# Altium PCB HIL_RIG_REV_1_2.PcbDoc (part 13 of 14)
Units mil, origin at the board's own origin, x right, y up, seen from the top; angles counter-clockwise.
Board outline 9845 x 7590 mil, 6 copper layers (Top Layer, Int1 (GND), Int2 (PWR), Int3 (Sign), Int4 (GND), Bottom Layer), stack 60.566 mil thick; 1465 components, 731 nets, 4058 pads, 3944 vias.
Unrouted connection lines stored in the file: 1754.
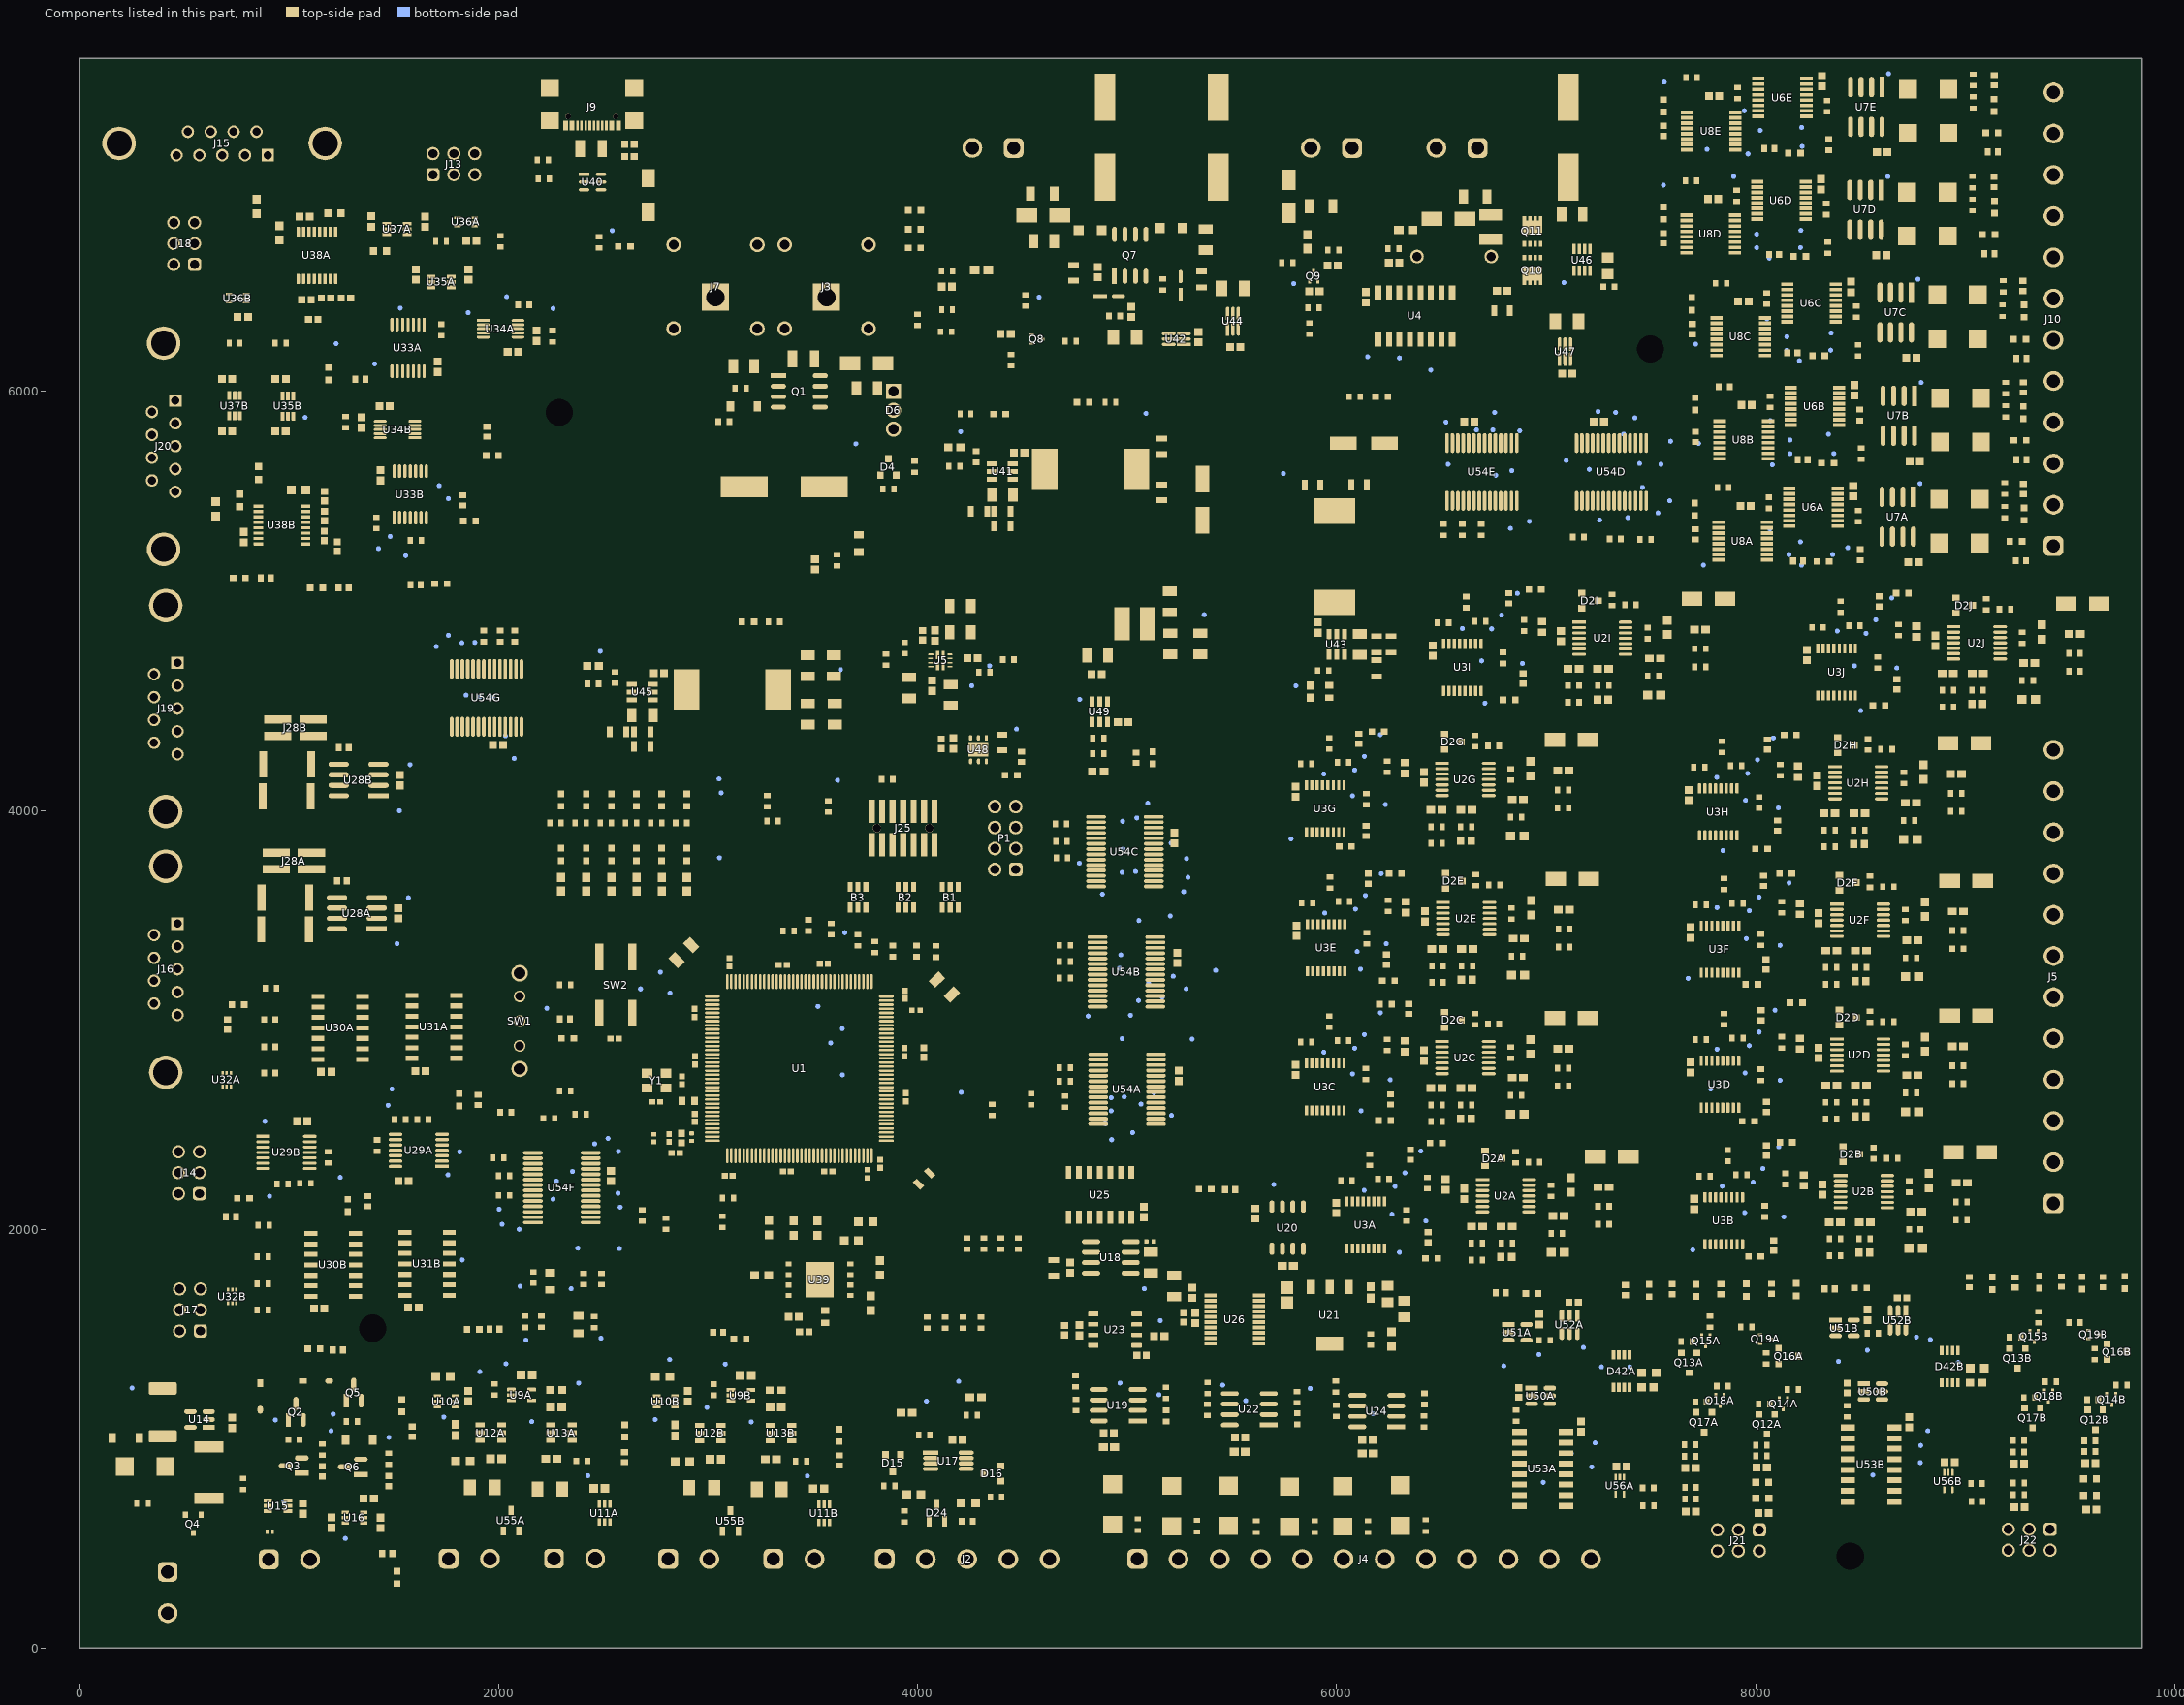
[diagram p17: the components of this part, seen from the top]

## Polygon pours and split planes (outlines as drawn) (continued)
I2C_1K_PMOS_GB on Top Layer "I2C_1K_PMOS_GA_L01_P2440" (solid, pour order 4082): 9601.6,1417 9601.6,1445 9627.6,1487 9627.6,1507 9651.6,1507 9695.6,1471 9695.6,1435 9659.6,1435 9635.6,1417
GND on Top Layer "GND_L01_P2073" (solid, pour order 4085): 8477.6,719 8361.6,719 8361.6,681 8477.6,681
GND on Top Layer "GND_L01_P2074" (solid, pour order 4088): 8477.6,969 8477.6,835 8363.6,835 8363.6,969
GND on Top Layer "GND_L01_P2427" (solid, pour order 4056): 9665.6,1261 9699.6,1261 9699.6,1201 9665.6,1201
GND on Top Layer "GND_L01_P2075" (solid, pour order 4091): 8711.6,1125 8793.6,1125 8793.6,1083 8711.6,1083
I2C_2K2_PMOS_GB on Top Layer "I2C_2K2_PMOS_GA_L01_P2428" (solid, pour order 4058): 9619.6,1205 9649.6,1205 9679.6,1175 9709.6,1175 9709.6,1151 9677.6,1119 9639.6,1119 9639.6,1151 9619.6,1171
I2C_DUT_VCCB on Top Layer "I2C_DUT_VCCA_L01_P2426" (solid, pour order 4054): 9601.6,1205 9601.6,1119 9525.6,1119 9525.6,1205
GND on Top Layer "GND_L01_P2424" (solid, pour order 4052): 8375.6,1237 8529.6,1237 8529.6,1213 8463.6,1213 8451.6,1201 8375.6,1201
I2C_DUT_VCCB on Top Layer "I2C_DUT_VCCB_L01_P3672" (solid, pour order 4126): 8663.6,1557 8733.6,1557 8733.6,1495 8763.6,1465 8763.6,1211 8761.6,1209 8549.6,1209 8549.6,1283 8637.6,1283 8637.6,1459 8663.6,1485
GND on Top Layer "GND_L01_P2409" (solid, pour order 4024): 8923.6,869 8881.6,869 8881.6,947 8923.6,947
GND on Top Layer "GND_L01_P2410" (solid, pour order 4026): 8909.6,775 8909.6,737 8849.6,737 8849.6,775
5V on Top Layer "5V_L01_P2411" (solid, pour order 4028): 8931.16,821.32 8931.6,821.77 8931.6,947 8971.6,947 8971.6,869 8965.6,869 8949.6,853 8949.6,821 8931.6,821
GND on Top Layer "GND_L01_P2416" (solid, pour order 4038): 9059.6,1287 9141.6,1287 9141.6,1247 9059.6,1247
GND on Top Layer "GND_L01_P2418" (solid, pour order 4042): 8401.6,1505 8401.6,1479 8341.6,1479 8335.6,1473 8305.6,1473 8305.6,1509 8335.6,1509 8339.6,1505
GND on Top Layer "GND_L01_P2419" (solid, pour order 4044): 8513.6,1637 8597.6,1637 8597.6,1595 8513.6,1595
3V3 on Top Layer "3V3_L01_P2421" (solid, pour order 4046): 8703.6,1731 8703.6,1579 8729.6,1579 8729.6,1643 8739.6,1653 8739.6,1731
GND on Top Layer "GND_L01_P2422" (solid, pour order 4048): 8695.6,1579 8695.6,1731 8657.6,1731 8657.6,1653 8667.6,1643 8667.6,1579
5V on Top Layer "5V_L01_P2423" (solid, pour order 4050): 8375.6,1247 8529.6,1247 8529.6,1275 8463.6,1275 8455.6,1283 8375.6,1283
3V3 on Top Layer "3V3_L01_P2076" (solid, pour order 4094): 8625.6,1075 8793.6,1075 8793.6,1033 8625.6,1033
GND on Top Layer "GND_L01_P2431" (solid, pour order 4136): 9387.6,1217 9387.6,1241 9373.6,1241 9355.6,1259 9331.6,1259 9331.6,1217 9369.6,1217
DAC_Reg_5V on Top Layer "DAC_REG_5V_L01_P2398" (solid, pour order 4012): 5428,1650 5428,1668 5360,1668 5334,1694 5272,1694 5272,1708 5180,1708 5180,1650
5V on Top Layer "5V_L01_P3682" (solid, pour order 4135): 5156,2080 5156,2032 5044,2032 5034,2022 4952,2022 4952,2092 5036,2092 5048,2080
GND on Top Layer "GND_L01_P3681" (solid, pour order 4134): 5058,2130 5058,2086 5144,2086 5144,2130
GND on Top Layer "GND_L01_P3680" (solid, pour order 4133): 4900,1984 4900,2092 4940,2092 4940,1984
GND on Top Layer "GND_L01_P3679" (solid, pour order 4132): 4800,1984 4800,2092 4840,2092 4840,1984
GND on Top Layer "GND_L01_P3678" (solid, pour order 4131): 5000,2238 5000,2346 5040,2346 5040,2238
GND on Top Layer "GND_L01_P3677" (solid, pour order 4130): 4850,2238 4850,2346 4890,2346 4890,2238
12V on Top Layer "12V_L01_P2393" (solid, pour order 4007): 4676,1606 4802,1606 4802,1566 4892,1566 4892,1522 4890,1522 4888,1522 4676,1522
GND on Top Layer "GND_L01_P2394" (solid, pour order 4008): 4802,1522 4802,1470 4890,1470 4890,1420 4676,1420 4676,1522
12V on Top Layer "12V_L01_P2395" (solid, pour order 4009): 4658,1710 4672,1724 4756,1724 4816,1770 4882,1770 4882,1812 4618,1812 4618,1710
GND on Top Layer "GND_L01_P2396" (solid, pour order 4010): 4744,1920 4760,1904 4934,1904 4950,1920 5152,1920 5152,1864 4948,1864 4890,1826 4884,1820 4608,1820 4608,1920
GND on Top Layer "GND_L01_P2399" (solid, pour order 4013): 5290,1746 5290,1700 5340,1700 5366,1674 5428,1674 5428,1730 5406,1752 5350.23,1752 5300.38,1802 5190,1802 5190,1746
DAC_VREF on Top Layer "DAC_VREF_L01_P2400" (solid, pour order 4014): 5430,1618 5598,1592 5664,1592 5664,1572 5599.08,1572 5430,1598 5364,1598 5364,1580 5202,1580 5202,1622 5364,1622 5364,1618
GND on Top Layer "GND_L01_P2401" (solid, pour order 4015): 17 vertices, not listed, extent 5158,1466 5430,1576
DAC_Reg_22V on Top Layer "DAC_REG_22V_L01_P2404" (solid, pour order 4018): 5850,1612 5726,1612 5726,1684 5930,1684 5928,1778 6004,1778 6004,1530 6040,1494 6040,1368 5850,1368
GND on Top Layer "GND_L01_P2405" (solid, pour order 4019): 6190,1229 6371.69,1229 6371.69,1183 6190,1183
GND on Top Layer "GND_L01_P2406" (solid, pour order 4020): 5588,1237.64 5762.69,1237.64 5762.69,1191.64 5588,1191.64
GND on Top Layer "GND_L01_P2407" (solid, pour order 4021): 4952,1257.36 5136.69,1257.36 5136.69,1211.36 4952,1211.36
GND on Top Layer "GND_L01_P2408" (solid, pour order 4022): 5020,1052 5020,930 4918,930 4918,1052
DAC_VREF on Top Layer "DAC_VREF_L01_P2449" (solid, pour order 4095): 5202,1580 5148,1526 5148,1466 4992,1466 4992,1514 5066,1514 5174,1622 5202,1622
AO_22V_LDO_IN on Top Layer "AO_22V_LDO_IN_L01_P2450" (solid, pour order 4096): 5772,1940 5822,1940 5822,1844 5900,1766 5900,1686 5898,1688 5852,1688 5852,1718 5772,1798
DAC_Reg_22V on Top Layer "DAC_REG_22V_L01_P2451" (solid, pour order 4097): 4908,924 4908,1106 4798,1106 4798,924
DAC_Reg_22V on Top Layer "DAC_REG_22V_L01_P2452" (solid, pour order 4098): 5536,904.28 5536,1086.28 5424,1086.28 5424,904.28
GND on Top Layer "GND_L01_P2453" (solid, pour order 4099): 5646.61,1032 5646.61,910 5544.61,910 5544.61,1032
DAC_Reg_22V on Top Layer "DAC_REG_22V_L01_P2454" (solid, pour order 4100): 6145,895.64 6145,1077.64 6033,1077.64 6033,895.64
GND on Top Layer "GND_L01_P2455" (solid, pour order 4101): 6254.61,1022 6254.61,900 6152.61,900 6152.61,1022
GND on Top Layer "GND_L01_P2456" (solid, pour order 4102): 5072,1418 5156,1418 5156,1378 5072,1378
NetC27_1 on Top Layer "NETC27_1_L01_P2457" (solid, pour order 4103): 5076,1460 5076,1434 5064,1422 5064,1378 5026,1378 5026,1426 5018,1434 5018,1460
24V_OUT_Shunted on Top Layer "24V_OUT_SHUNTED_L01_P2837" (solid, pour order 4109): 5220,6256 5168,6256 5162,6262 5124,6262 5124,6228 5130,6222 5152,6222 5168,6244 5220,6244
GND on Top Layer "GND_L01_P1153" (solid, pour order 3945): 3056,2528.7 3070,2538 3108,2538 3108,2504 3070,2504 3056,2514 3056,2514.41 2974.41,2514.41 2950.41,2490.41 2876,2490.41 2876,2527.73
GND on Top Layer "GND_L01_P1160" (solid, pour order 3948): 3056.22,2824 3056.22,2808.81 3054.51,2810 2876,2810 2876,2848 2960,2848 2984,2824
VDD_REGULATED on Top Layer "VDD_REGULATED_L01_P1171" (solid, pour order 3954): 3548.45,3334 3512.79,3334 3512.79,3251.21 3536.79,3227.21 3536.79,3146.66 3549.45,3146.66
GND on Top Layer "GND_L01_P1165" (solid, pour order 3955): 3570.79,3146.44 3582.61,3130.61 3582.61,3102.61 3544.61,3102.61 3544.61,3130.61 3556.79,3148.15 3556.79,3334 3594.79,3334 3594.79,3250.79 3570.79,3226.79
GND on Top Layer "GND_L01_P1148" (solid, pour order 3951): 3078,3274 3122,3274 3122,3360 3078,3360
FLASH_PAD on Top Layer "FLASH_PAD_L01_P1145" (solid, pour order 3847): 3609.52,1902 3609.52,1588.61 3521.52,1588.61 3418,1692.13 3418,1902
GND on Top Layer "GND_L01_P1150" (solid, pour order 3848): 2910.47,3035 2954,3035 2954,3116 2910.47,3116
GND on Top Layer "GND_L01_P1146" (solid, pour order 3943): 3659.52,1804.61 3707.52,1804.61 3707.52,1864.61 3617.52,1864.61 3617.52,1584.61 3521.52,1584.61 3491.52,1614.61 3409.52,1614.61 3409.52,1538.61 3455.52,1538.61 3455.52,1482.61 3659.52,1482.61
3V3 on Top Layer "3V3_L01_P1144" (solid, pour order 3944): 3407.52,1708.61 3355.52,1708.61 3355.52,1482.61 3455.52,1482.61 3455.52,1538.61 3407.52,1538.61
VDD_REGULATED on Top Layer "VDD_REGULATED_L01_P1152" (solid, pour order 3946): 3053.6,2534.41 3056,2533.37 3056,2548.41 2984,2548.41 2960,2572.41 2876,2572.41 2876,2534.41
VDD_REGULATED on Top Layer "VDD_REGULATED_L01_P1151" (solid, pour order 3947): 2876,2801.7 2876,2766 2958,2766 2982,2790 3056,2790 3056,2802.66
VDD_REGULATED on Top Layer "VDD_REGULATED_L01_P1149" (solid, pour order 3949): 3054,3008 3054,3020 2978,3020 2968,3030 2874,3030 2874,2988 2962,2988 2982,3008
VDD_REGULATED on Top Layer "VDD_REGULATED_L01_P1147" (solid, pour order 3950): 3018,3274 3018,3228 3063,3228 3082,3209 3082,3144 3118,3144 3118,3274
VDD_REGULATED on Top Layer "VDD_REGULATED_L01_P1172" (solid, pour order 3952): 3351.64,3326.66 3315.94,3326.66 3315.94,3244.66 3339.94,3220.66 3339.94,3146.66 3352.6,3146.66
GND on Top Layer "GND_L01_P1166" (solid, pour order 3953): 3373.94,3146.44 3385.76,3130.61 3385.76,3102.61 3347.76,3102.61 3347.76,3130.61 3359.94,3148.15 3359.94,3326.66 3397.94,3326.66 3397.94,3242.66 3373.94,3218.66
VDD_REGULATED on Top Layer "VDD_REGULATED_L01_P1155" (solid, pour order 3956): 4004,3122 4004,3158 3900,3158 3862,3120 3814,3120 3814,3104 3883.56,3104 3917.56,3122
GND on Top Layer "GND_L01_P1154" (solid, pour order 3957): 3813,3100 3764,3100 3764,3062 3798,3062 3814,3084 4005,3084 4005,3118 3921,3118 3887,3100
VDD_REGULATED on Top Layer "VDD_REGULATED_L01_P1159" (solid, pour order 3958): 3919.13,2886.72 3993.28,2886.72 4050,2886.72 4050,2849.7 3814.71,2848.43 3814.71,2862.72 3897.73,2862.72
GND on Top Layer "GND_L01_P1158" (solid, pour order 3959): 3812.43,2844 3802,2864 3764,2864 3764,2828.72 3797.72,2828.72 3813.71,2828.72 3895.51,2828.72 3916.74,2804 3993,2804 4049,2804.2 4049,2844
VDD_REGULATED on Top Layer "VDD_REGULATED_L01_P1156" (solid, pour order 3960): 3770,2388 3770,2316 3888,2316 3886,2318 3886,2388
GND on Top Layer "GND_L01_P1157" (solid, pour order 3961): 3801.83,2260 3884,2260 3884,2308 3801.83,2308
VDD_REGULATED on Top Layer "VDD_REGULATED_L01_P1169" (solid, pour order 3962): 3578.07,2218 3624,2218 3624,2279.78 3589.83,2313.95 3589.83,2387.95 3577.16,2387.95
GND on Top Layer "GND_L01_P1163" (solid, pour order 3963): 3555.82,2388.18 3532,2404 3532,2432 3569.83,2432 3569.83,2386.46 3569.83,2220 3520,2220 3520,2280.13 3555.82,2315.95
VDD_REGULATED on Top Layer "VDD_REGULATED_L01_P1168" (solid, pour order 3964): 3381.28,2207.95 3416.98,2207.95 3416.98,2289.95 3392.98,2313.95 3392.98,2387.95 3380.31,2387.95
GND on Top Layer "GND_L01_P1162" (solid, pour order 3965): 3358.97,2388.18 3347.15,2404 3347.15,2432 3385.15,2432 3385.15,2404 3372.98,2386.46 3372.98,2207.95 3334.97,2207.95 3334.97,2291.95 3358.97,2315.95
I2C_DUT_VCCA on Top Layer "I2C_DUT_VCCA_L01_P3672" (solid, pour order 4125): 7096,1536 7166,1536 7166,1474 7196,1444 7196,1190 7194,1188 6982,1188 6982,1262 7070,1262 7070,1438 7096,1464
GND on Top Layer "GND_L01_P2409" (solid, pour order 4023): 7356,848 7314,848 7314,926 7356,926
GND on Top Layer "GND_L01_P2410" (solid, pour order 4025): 7342,754 7342,716 7282,716 7282,754
5V on Top Layer "5V_L01_P2411" (solid, pour order 4027): 7363.55,800.32 7364,800.77 7364,926 7404,926 7404,848 7398,848 7382,832 7382,800 7364,800
GND on Top Layer "GND_L01_P2416" (solid, pour order 4037): 7492,1266 7574,1266 7574,1226 7492,1226
3V3 on Top Layer "3V3_L01_P2417" (solid, pour order 4039): 6876.37,1557.91 6876,1557.55 6876,1532 6936,1532 6942,1526 7032,1526 7032,1566 6944,1566 6936,1558 6876,1558
GND on Top Layer "GND_L01_P2418" (solid, pour order 4041): 6850,1484 6850,1458 6790,1458 6784,1452 6754,1452 6754,1488 6784,1488 6788,1484
GND on Top Layer "GND_L01_P2419" (solid, pour order 4043): 6946,1616 7030,1616 7030,1574 6946,1574
3V3 on Top Layer "3V3_L01_P2421" (solid, pour order 4045): 7136,1710 7136,1558 7162,1558 7162,1622 7172,1632 7172,1710
GND on Top Layer "GND_L01_P2422" (solid, pour order 4047): 7128,1558 7128,1710 7090,1710 7090,1632 7100,1622 7100,1558
5V on Top Layer "5V_L01_P2423" (solid, pour order 4049): 6808,1226 6962,1226 6962,1254 6896,1254 6888,1262 6808,1262
GND on Top Layer "GND_L01_P2424" (solid, pour order 4051): 6808,1216 6962,1216 6962,1192 6896,1192 6884,1180 6808,1180
I2C_DUT_VCCA on Top Layer "I2C_DUT_VCCA_L01_P2426" (solid, pour order 4053): 8034,1184 8034,1098 7958,1098 7958,1184
GND on Top Layer "GND_L01_P2427" (solid, pour order 4055): 8098,1240 8132,1240 8132,1180 8098,1180
I2C_2K2_PMOS_GA on Top Layer "I2C_2K2_PMOS_GA_L01_P2428" (solid, pour order 4057): 8052,1184 8082,1184 8112,1154 8142,1154 8142,1130 8110,1098 8072,1098 8072,1130 8052,1150
I2C_DUT_VCCA on Top Layer "I2C_DUT_VCCA_L01_P2429" (solid, pour order 4059): 7734,1108 7734,1154 7728,1160 7728,1194 7662,1194 7662,1192 7662,1108
I2C_4K7_PMOS_GA on Top Layer "I2C_4K7_PMOS_GA_L01_P2430" (solid, pour order 4061): 7752,1194 7780,1194 7804,1170 7840,1170 7840,1144 7810,1114 7810,1108 7772,1108 7772,1140 7752,1160
GND on Top Layer "GND_L01_P2431" (solid, pour order 4063): 7820,1196 7820,1220 7806,1220 7788,1238 7764,1238 7764,1202 7796,1202 7802,1196
I2C_DUT_VCCA on Top Layer "I2C_DUT_VCCA_L01_P2432" (solid, pour order 4065): 7502,1338 7584,1338 7584,1294 7502,1294
3V3 on Top Layer "3V3_L01_P2433" (solid, pour order 4067): 7362,1376 7382,1376 7382,1430 7392,1440 7392,1464 7358,1464 7358,1434 7362,1430
GND on Top Layer "GND_L01_P2434" (solid, pour order 4069): 7410,1376 7410,1420 7432,1442 7432,1464 7400,1464 7400,1436 7388,1424 7388,1376
I2C_DUT_VCCA on Top Layer "I2C_DUT_VCCA_L01_P2435" (solid, pour order 4071): 7662,1392 7662,1444 7662,1482 7588,1482 7588,1392
I2C_10K_PMOS_GA on Top Layer "I2C_10K_PMOS_GA_L01_P2436" (solid, pour order 4073): 7684,1482 7712,1482 7738,1456 7772,1456 7772,1428 7752,1428 7738,1414 7738,1392 7702,1392 7702,1430 7684,1448
GND on Top Layer "GND_L01_P2437" (solid, pour order 4075): 7752,1480 7752,1542 7712,1542 7712,1502 7734,1480
I2C_DUT_VCCA on Top Layer "I2C_DUT_VCCA_L01_P2438" (solid, pour order 4077): 8128,1376 8034,1376 8034,1300 8128,1300
GND on Top Layer "GND_L01_P2439" (solid, pour order 4079): 8034,1466 7970,1466 7970,1432 8002,1432 8016,1446 8034,1446
I2C_1K_PMOS_GA on Top Layer "I2C_1K_PMOS_GA_L01_P2440" (solid, pour order 4081): 8034,1396 8034,1424 8060,1466 8060,1486 8084,1486 8128,1450 8128,1414 8092,1414 8068,1396
GND on Top Layer "GND_L01_P2073" (solid, pour order 4084): 6910,698 6794,698 6794,660 6910,660
GND on Top Layer "GND_L01_P2074" (solid, pour order 4087): 6910,948 6910,814 6796,814 6796,948
GND on Top Layer "GND_L01_P2075" (solid, pour order 4090): 7144,1104 7226,1104 7226,1062 7144,1062
3V3 on Top Layer "3V3_L01_P2076" (solid, pour order 4093): 7058,1054 7226,1054 7226,1012 7058,1012
3V3 on Top Layer "3V3_L01_P2237" (solid, pour order 3863): 7666.89,3421.79 7750.89,3421.79 7750.89,3477.79 7716.89,3511.79 7666.89,3511.79
GND on Top Layer "GND_L01_P2257" (solid, pour order 3883): 7830,3161.79 7776,3161.79 7726.89,3161.79 7726.89,3254 7830,3254
3V3 on Top Layer "3V3_L01_P2267" (solid, pour order 3893): 7908.89,3477.79 7972.89,3477.79 7972.89,3417.79 7908.89,3417.79
5V on Top Layer "5V_L01_P2277" (solid, pour order 3903): 8238.89,3489.79 8424.89,3489.79 8424.89,3509.79 8352.89,3509.79 8328.89,3533.79 8238.89,3533.79
GND on Top Layer "GND_L01_P2287" (solid, pour order 3913): 8236.89,3481.79 8322.89,3481.79 8322.89,3439.79 8236.89,3439.79
GND on Top Layer "GND_L01_P2297" (solid, pour order 3923): 8648.89,3511.79 8648.89,3489.79 8578.89,3489.79 8562.89,3473.79 8524.89,3473.79 8524.89,3511.79
GND on Top Layer "GND_L01_P2247" (solid, pour order 3872): 5918.14,2759.86 6052,2626 6050,2624 6050,2540 5996,2540 5996,2598 5882,2712 5782,2712 5782,2759.86
5V on Top Layer "5V_L01_P2277" (solid, pour order 3902): 8230.89,4145.79 8416.89,4145.79 8416.89,4165.79 8344.89,4165.79 8320.89,4189.79 8230.89,4189.79
3V3 on Top Layer "3V3_L01_P2237" (solid, pour order 3862): 7658.89,4077.79 7742.89,4077.79 7742.89,4133.79 7708.89,4167.79 7658.89,4167.79
GND on Top Layer "GND_L01_P2247" (solid, pour order 3870): 7794.14,4071.86 7928,3938 7926,3936 7926,3852 7872,3852 7872,3910 7758,4024 7658,4024 7658,4071.86
GND on Top Layer "GND_L01_P2257" (solid, pour order 3882): 7822,3817.79 7768,3817.79 7718.89,3817.79 7718.89,3910 7822,3910
3V3 on Top Layer "3V3_L01_P2267" (solid, pour order 3892): 7900.89,4133.79 7964.89,4133.79 7964.89,4073.79 7900.89,4073.79
GND on Top Layer "GND_L01_P2287" (solid, pour order 3912): 8228.89,4137.79 8314.89,4137.79 8314.89,4095.79 8228.89,4095.79
GND on Top Layer "GND_L01_P2297" (solid, pour order 3922): 8640.89,4167.79 8640.89,4145.79 8570.89,4145.79 8554.89,4129.79 8516.89,4129.79 8516.89,4167.79
GND on Top Layer "GND_L01_P2247" (solid, pour order 3868): 8359.14,4739.86 8493,4606 8491,4604 8491,4520 8437,4520 8437,4578 8323,4692 8223,4692 8223,4739.86
3V3 on Top Layer "3V3_L01_P3670" (solid, pour order 4123): 1970,4446 1970,4348 1956,4334 1912,4334 1912,4288 1992,4288 1992,4446
GND on Top Layer "GND_L01_P179" (solid, pour order 3756): 20 vertices, not listed, extent 7640.16,6651.43 7795.16,6941.43
GND on Top Layer "GND_L01_P181" (solid, pour order 3761): 7975.16,7011.43 7975.16,6901.43 7985.16,6891.43 8045.16,6891.43 8050.16,6886.43 8050.16,6861.43 8040.16,6851.43 7980.16,6851.43 7980.16,6826.43 7990.16,6816.43 8050.16,6816.43 8100.16,6866.43 8100.16,7001.43 8085.16,7016.43 7985.16,7016.43
GND on Top Layer "GND_L01_P183" (solid, pour order 3766): 8292.16,6983.11 8292.16,6943.11 8320.16,6931.11 8320.16,6886.43 8325.16,6881.43 8375.16,6881.43 8464.4,6915.35 8464.4,7013.11 8438.16,7013.11 8396.64,6983.11 8351.84,6983.11
GND on Top Layer "GND_L01_P185" (solid, pour order 3771): 8680.16,7036.43 8680.16,6906.43 8772.16,6906.43 8772.16,6996.43 8760.16,6996.43 8720.16,7036.43
GND on Top Layer "GND_L01_P1177" (solid, pour order 3852): 8600.16,6673.43 8600.16,6623.43 8712.16,6623.43 8772.16,6683.43 8772.16,6795.43 8770.16,6797.43 8678.16,6797.43 8678.16,6741.43 8670.16,6733.43
24V on Top Layer "24V_L01_P3668" (solid, pour order 4121): 8206.16,6991.11 8378.16,6991.11 8378.16,7045.11 8206.16,7045.11
GND on Top Layer "GND_L01_P185" (solid, pour order 3770): 8824.16,6546.43 8824.16,6416.43 8916.16,6416.43 8916.16,6506.43 8904.16,6506.43 8864.16,6546.43
GND on Top Layer "GND_L01_P183" (solid, pour order 3765): 8436.16,6493.11 8436.16,6453.11 8464.16,6441.11 8464.16,6396.43 8469.16,6391.43 8519.16,6391.43 8608.4,6425.35 8608.4,6523.11 8582.16,6523.11 8540.64,6493.11 8495.84,6493.11
GND on Top Layer "GND_L01_P181" (solid, pour order 3760): 8119.16,6521.43 8119.16,6411.43 8129.16,6401.43 8189.16,6401.43 8194.16,6396.43 8194.16,6371.43 8184.16,6361.43 8124.16,6361.43 8124.16,6336.43 8134.16,6326.43 8194.16,6326.43 8244.16,6376.43 8244.16,6511.43 8229.16,6526.43 8129.16,6526.43
GND on Top Layer "GND_L01_P179" (solid, pour order 3755): 20 vertices, not listed, extent 7784.16,6161.43 7939.16,6451.43
GND on Top Layer "GND_L01_P1177" (solid, pour order 3851): 8744.16,6183.43 8744.16,6133.43 8856.16,6133.43 8916.16,6193.43 8916.16,6305.43 8914.16,6307.43 8822.16,6307.43 8822.16,6251.43 8814.16,6243.43
24V on Top Layer "24V_L01_P3667" (solid, pour order 4120): 8350.16,6501.11 8522.16,6501.11 8522.16,6555.11 8350.16,6555.11
GND on Top Layer "GND_L01_P183" (solid, pour order 3764): 8451.33,5999.75 8451.33,5959.75 8479.33,5947.75 8479.33,5903.07 8484.33,5898.07 8534.33,5898.07 8623.57,5931.99 8623.57,6029.75 8597.33,6029.75 8555.81,5999.75 8511.01,5999.75
GND on Top Layer "GND_L01_P181" (solid, pour order 3759): 8134.33,6028.07 8134.33,5918.07 8144.33,5908.07 8204.33,5908.07 8209.33,5903.07 8209.33,5878.07 8199.33,5868.07 8139.33,5868.07 8139.33,5843.07 8149.33,5833.07 8209.33,5833.07 8259.33,5883.07 8259.33,6018.07 8244.33,6033.07 8144.33,6033.07
GND on Top Layer "GND_L01_P179" (solid, pour order 3754): 20 vertices, not listed, extent 7799.33,5668.07 7954.33,5958.07
GND on Top Layer "GND_L01_P1177" (solid, pour order 3850): 8759.33,5690.07 8759.33,5640.07 8871.33,5640.07 8931.33,5700.07 8931.33,5812.07 8929.33,5814.07 8837.33,5814.07 8837.33,5758.07 8829.33,5750.07
24V on Top Layer "24V_L01_P3666" (solid, pour order 4119): 8365.33,6007.75 8537.33,6007.75 8537.33,6061.75 8365.33,6061.75
GND on Top Layer "GND_L01_P2297" (solid, pour order 3921): 9205.89,4835.79 9205.89,4813.79 9135.89,4813.79 9119.89,4797.79 9081.89,4797.79 9081.89,4835.79